# Altium PCB Proyecto0.PcbDoc (part 3 of 5)
Units mm, origin at the board's own origin, x right, y up, seen from the top; angles counter-clockwise.
Board outline 65 x 45 mm, 10 copper layers (TOP, GND[1], VDD[1], Signal[1], GND[2], VDD[2], Signal[2], GND[3], VDD[3], BOT), stack 2.029 mm thick; 188 components, 257 nets, 1107 pads, 1099 vias.
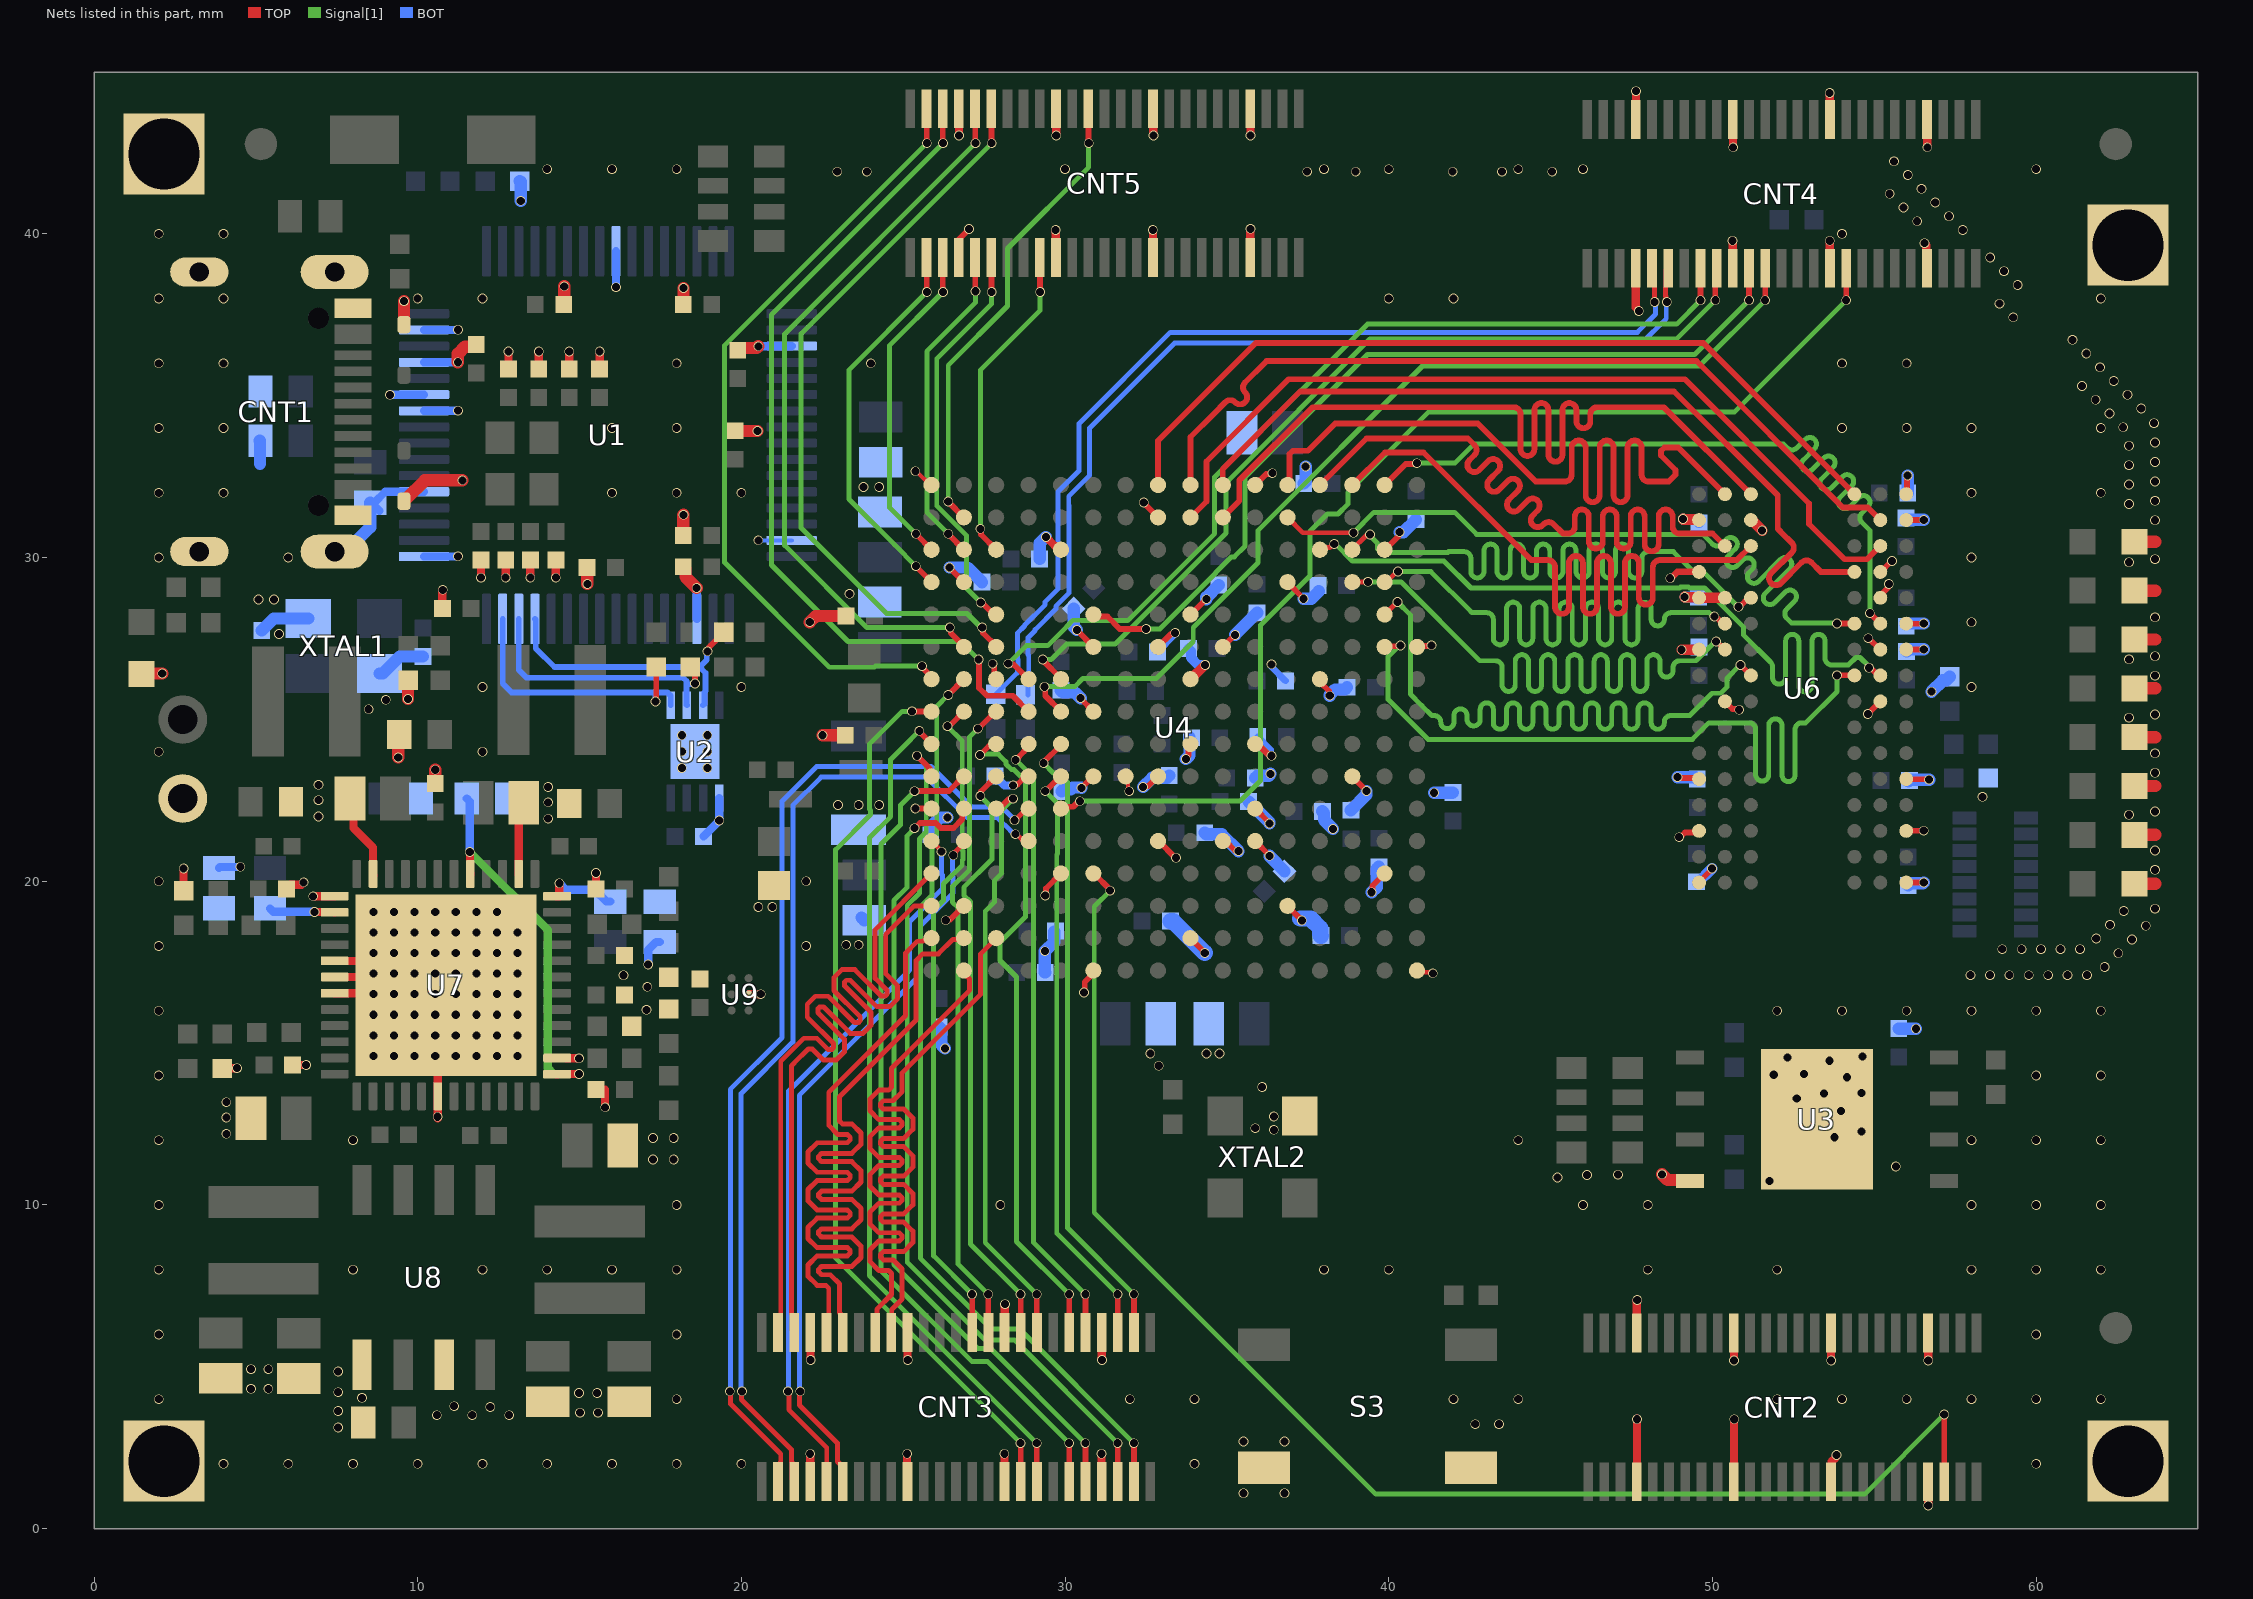
[diagram p11: the nets of this part, all layers, seen from the top]

## Via types
v1: diameter 0.3, hole 0.25, TOP to BOT, tented both sides, 1081 vias
v2: diameter 0.3, hole 0.25, TOP to BOT, 18 vias

## Nets (pads, with @x,y where several pads share a name; then routed paths per layer and width w, separated by ;. In a path a pad name is that pad's centre, name@x,y a point inside that pad or via, vN(x,y) a via of type N, cw(c..) or ccw(c..) an arc to the next point about the centre after c; other vN are vias at no path point) (continued)
DQ0: U4.C14 U6.E3 | length 25.4
  TOP w0.152: U4.C14@38.873,30.241 38.873,30.253 39.3,30.68 39.393,30.68 v1(39.421,30.709)
  TOP w0.178: v1(50.804,28.48) 50.827,28.503 50.864,28.503 51.118,28.757 U6.E3@51.186,28.757
  Signal[1] w0.152: v1(39.421,30.709) 39.421,30.669 39.655,30.434 39.655,30.267 39.763,30.159 41.826,30.159 41.849,30.182 42.331,30.182 cw(c42.331,29.979) 42.535,29.979 42.535,29.573 ccw(c42.738,29.573) 42.941,29.573 42.941,30.211 cw(c43.144,30.211) 43.347,30.211 43.347,29.573 ccw(c43.551,29.573) 43.754,29.573 43.754,30.211 cw(c43.957,30.211) 44.16,30.211 44.16,29.573 ccw(c44.363,29.573) 44.567,29.573 44.567,30.211 cw(c44.77,30.211) 44.973,30.211 44.973,29.573 ccw(c45.176,29.573) 45.379,29.573 45.379,30.211 cw(c45.583,30.211) 45.786,30.211 45.786,29.573 ccw(c45.989,29.573) 46.192,29.573 46.192,30.211 cw(c46.395,30.211) 46.599,30.211 46.599,29.573 ccw(c46.802,29.573) 47.005,29.573 47.005,30.211 cw(c47.208,30.211) 47.411,30.211 47.411,29.573 ccw(c47.615,29.573) 47.818,29.573 47.818,29.979 cw(c48.021,29.979) 48.021,30.182 48.626,30.182 48.793,30.182 49.385,29.591 49.68,29.591 50.791,28.48 v1(50.804,28.48)
DQ1: U4.B12 U6.F7 | length 25
  TOP w0.152: U4.B12@36.879,31.235 37.348,30.766 v1(38.909,30.766)
  TOP w0.178: v1(53.848,27.965) 53.852,27.961 54.382,27.961 U6.F7@54.386,27.957
  Signal[1] w0.152: v1(38.909,30.766) 39.537,31.394 42.037,31.394 42.717,30.715 49.702,30.715 49.942,30.474 49.996,30.42 ccw(c50.14,30.564) 50.284,30.42 50.421,30.557 cw(c50.564,30.413) 50.708,30.557 cw(c50.564,30.413) 50.708,30.27 50.481,30.043 ccw(c50.625,29.899) 50.481,29.756 ccw(c50.625,29.899) 50.769,29.756 50.943,29.93 cw(c51.087,29.786) 51.23,29.93 cw(c51.087,29.786) 51.23,29.643 51.138,29.551 ccw(c51.282,29.407) 51.138,29.263 ccw(c51.282,29.407) 51.426,29.263 52.104,29.941 cw(c52.247,29.798) 52.391,29.941 cw(c52.247,29.798) 52.391,29.654 51.631,28.893 ccw(c51.774,28.75) 51.631,28.606 ccw(c51.774,28.75) 51.918,28.606 52.248,28.937 cw(c52.392,28.793) 52.536,28.937 cw(c52.392,28.793) 52.536,28.649 52.295,28.409 ccw(c52.439,28.265) 52.295,28.121 52.436,27.98 52.613,27.98 v1@53.858,27.98
DQ2: U4.D15 U6.F2 | length 25.5
  TOP w0.152: U4.D15@39.873,29.241 39.92,29.241 40.244,29.566 v1(40.284,29.566)
  TOP w0.178: v1(50.059,28.177) 50.082,28.153 50.122,28.153 50.318,27.957 U6.F2@50.386,27.957
  Signal[1] w0.152: v1(40.284,29.566) 41.3,29.566 42.545,28.321 42.57,28.296 43.028,28.296 cw(c43.028,28.092) 43.231,28.092 43.231,27.507 ccw(c43.434,27.507) 43.637,27.507 43.637,28.418 cw(c43.84,28.418) 44.044,28.418 44.044,27.507 ccw(c44.247,27.507) 44.45,27.507 44.45,28.418 cw(c44.653,28.418) 44.856,28.418 44.856,27.507 ccw(c45.06,27.507) 45.263,27.507 45.263,28.418 cw(c45.466,28.418) 45.669,28.418 45.669,27.507 ccw(c45.872,27.507) 46.076,27.507 46.076,28.418 cw(c46.279,28.418) 46.482,28.418 46.482,27.507 ccw(c46.685,27.507) 46.888,27.507 46.888,28.418 cw(c47.092,28.418) 47.295,28.418 47.295,27.507 ccw(c47.498,27.507) 47.701,27.507 47.701,28.414 cw(c47.904,28.414) 48.108,28.414 48.108,28.092 ccw(c48.311,28.092) 48.514,28.092 cw(c48.717,28.092) 48.717,28.296 49.809,28.296 49.9,28.296 50.019,28.177 v1(50.059,28.177)
DQ3: U4.A15 U6.F8 | length 25
  TOP w0.178: U4.A15@39.873,32.241 40.524,32.893 40.845,32.893 v1(40.869,32.916) ; v1(54.863,28.283) v1(54.863,28.283) U6.F8@55.186,27.957 U6.F8@55.186,27.957
  Signal[1] w0.152: v1(40.869,32.916) 42.042,32.916 42.628,33.503 52.197,33.503 52.26,33.439 52.314,33.385 ccw(c52.458,33.529) 52.602,33.385 52.866,33.65 cw(c53.01,33.506) 53.153,33.65 cw(c53.01,33.506) 53.153,33.362 52.799,33.008 ccw(c52.943,32.864) 52.799,32.721 ccw(c52.943,32.864) 53.087,32.721 53.441,33.075 cw(c53.585,32.931) 53.728,33.075 cw(c53.585,32.931) 53.728,32.788 53.374,32.433 ccw(c53.518,32.29) 53.374,32.146 ccw(c53.518,32.29) 53.661,32.146 54.016,32.5 cw(c54.159,32.356) 54.303,32.5 cw(c54.159,32.356) 54.303,32.213 53.949,31.859 ccw(c54.092,31.715) 53.949,31.571 ccw(c54.092,31.715) 54.236,31.571 54.519,31.854 cw(c54.663,31.711) 54.807,31.854 cw(c54.663,31.711) 54.807,31.567 54.613,31.374 ccw(c54.757,31.23) 54.613,31.086 54.839,30.861 54.863,30.836 v1(54.863,28.283)
DQ4: U4.E15 U6.H3 | length 25.4
  TOP w0.152: U4.E15@39.873,28.241 39.877,28.241 40.264,28.628 v1(40.268,28.628)
  TOP w0.178: v1(50.863,26.683) v1(50.863,26.683) U6.H3@51.186,26.357 U6.H3@51.186,26.357
  Signal[1] w0.152: v1(40.268,28.628) 40.665,28.231 40.665,25.783 41.024,25.425 41.328,25.121 41.402,25.121 cw(c41.402,24.917) 41.605,24.917 ccw(c41.809,24.917) 42.012,24.917 42.012,25.121 cw(c42.215,25.121) 42.418,25.121 42.418,25 ccw(c42.621,25) 42.825,25 42.825,25.306 cw(c43.028,25.306) 43.231,25.306 43.231,24.897 ccw(c43.434,24.897) 43.637,24.897 43.637,25.306 cw(c43.841,25.306) 44.044,25.306 44.044,24.897 ccw(c44.247,24.897) 44.45,24.897 44.45,25.306 cw(c44.653,25.306) 44.857,25.306 44.857,24.897 ccw(c45.06,24.897) 45.263,24.897 45.263,25.306 cw(c45.466,25.306) 45.669,25.306 45.669,24.897 ccw(c45.873,24.897) 46.076,24.897 46.076,25.306 cw(c46.279,25.306) 46.482,25.306 46.482,24.897 ccw(c46.685,24.897) 46.889,24.897 46.889,25.306 cw(c47.092,25.306) 47.295,25.306 47.295,24.897 ccw(c47.498,24.897) 47.701,24.897 47.701,25.306 cw(c47.905,25.306) 48.108,25.306 48.108,24.897 ccw(c48.311,24.897) 48.514,24.897 48.514,24.917 cw(c48.717,24.917) 48.717,25.121 48.794,25.121 49.301,25.121 49.987,25.807 50.254,25.807 50.444,25.997 50.444,26.264 v1(50.863,26.683)
DQ5: U4.C13 U6.H8 | length 25.3
  TOP w0.152: U4.C13@37.873,30.241 37.939,30.308 38.169,30.308 38.277,30.415 v1(38.317,30.415)
  TOP w0.178: v1(54.839,26.594) 54.862,26.57 54.905,26.57 55.118,26.357 U6.H8@55.186,26.357
  Signal[1] w0.152: v1(38.317,30.415) 38.357,30.415 38.881,29.891 40.152,29.891 ; 40.153,29.892 40.383,29.892 ; 40.384,29.891 41.706,29.891 42.539,29.058 48.99,29.058 49.016,29.083 49.267,29.083 49.293,29.058 49.759,29.058 50.965,27.851 50.965,27.601 51.795,26.771 cw(c51.651,26.627) 51.854,26.627 51.854,26.293 ccw(c52.058,26.293) 52.261,26.293 52.261,27.424 cw(c52.464,27.424) 52.667,27.424 52.667,26.05 ccw(c52.87,26.05) 53.074,26.05 53.074,27.424 cw(c53.277,27.424) 53.48,27.424 53.48,26.886 ccw(c53.683,26.886) 53.683,26.683 54.078,26.683 54.204,26.683 54.433,26.913 54.56,26.913 54.839,26.634 v1(54.839,26.594)
DQ6: U4.D14 U6.G2 | length 25.1
  TOP w0.152: U4.D14@38.873,29.241 38.877,29.245 39.351,29.245 v1(39.355,29.25)
  TOP w0.178: v1(50.114,27.407) 50.126,27.407 50.375,27.157 U6.G2@50.386,27.157
  Signal[1] w0.152: v1(39.355,29.25) 40.377,29.25 42.816,26.811 43.298,26.811 cw(c43.298,26.608) 43.502,26.608 43.502,26.066 ccw(c43.705,26.066) 43.908,26.066 43.908,26.795 cw(c44.111,26.795) 44.314,26.795 44.314,26.066 ccw(c44.518,26.066) 44.721,26.066 44.721,26.795 cw(c44.924,26.795) 45.127,26.795 45.127,26.066 ccw(c45.33,26.066) 45.534,26.066 45.534,26.795 cw(c45.737,26.795) 45.94,26.795 45.94,26.066 ccw(c46.143,26.066) 46.346,26.066 46.346,26.795 cw(c46.55,26.795) 46.753,26.795 46.753,26.066 ccw(c46.956,26.066) 47.159,26.066 47.159,26.795 cw(c47.362,26.795) 47.566,26.795 47.566,26.066 ccw(c47.769,26.066) 47.972,26.066 47.972,26.795 cw(c48.175,26.795) 48.378,26.795 48.378,26.507 ccw(c48.582,26.507) 48.785,26.507 48.785,26.608 cw(c48.988,26.608) 48.988,26.811 49.491,26.811 49.53,26.85 50.086,27.407 v1(50.114,27.407)
DQ7: U4.F15 U6.H7 | length 25.2
  TOP w0.178: U4.F15@39.873,27.241 39.892,27.26 40.341,27.26 v1(40.361,27.28) ; v1(53.848,26.361) 54.382,26.361 U6.H7@54.386,26.357
  Signal[1] w0.152: v1(40.361,27.28) 40.321,27.28 40.058,27.017 40.054,27.017 39.98,26.943 39.98,25.616 41.211,24.384 49.378,24.384 49.886,24.892 50.84,24.892 51.13,24.892 cw(c51.13,24.689) 51.333,24.689 51.333,23.3 ccw(c51.537,23.3) 51.74,23.3 51.74,24.816 cw(c51.943,24.816) 52.146,24.816 52.146,23.283 ccw(c52.349,23.283) 52.553,23.283 52.553,24.689 cw(c52.756,24.689) 52.756,24.892 52.832,24.892 52.883,24.892 53.848,25.857 v1(53.848,26.361)
DQ8: U4.A10 U6.D7 | length 26.2
  TOP w0.178: U4.A10@34.873,32.241 34.873,32.739 37.262,35.128 48.815,35.128 52.019,31.924 52.019,30.886 52.081,30.825 52.144,30.762 52.449,30.457 cw(c52.296,30.304) 52.449,30.151 51.812,29.514 ccw(c51.964,29.361) 51.812,29.208 ccw(c51.964,29.361) 52.117,29.208 52.754,29.846 cw(c52.907,29.693) 53.06,29.846 53.315,29.59 53.348,29.557 53.408,29.557 U6.D7@54.386,29.557
DQ9: U4.A14 U6.C3 | length 26.3
  TOP w0.178: U4.A14@38.873,32.241 39.88,33.249 41.072,33.249 44.399,29.921 44.92,29.921 cw(c44.92,29.705) 45.136,29.705 45.136,28.476 ccw(c45.352,28.476) 45.568,28.476 45.568,29.832 cw(c45.783,29.832) 45.999,29.832 45.999,28.476 ccw(c46.215,28.476) 46.431,28.476 46.431,29.832 cw(c46.647,29.832) 46.863,29.832 46.863,28.476 ccw(c47.079,28.476) 47.295,28.476 47.295,29.832 cw(c47.511,29.832) 47.727,29.832 47.727,28.759 ccw(c47.942,28.759) 48.158,28.759 48.158,29.705 cw(c48.374,29.705) 48.374,29.921 48.786,29.921 50.751,29.921 U6.C3@51.186,30.357
DQ10: U4.B9 U6.C8 | length 26.7
  TOP w0.178: U4.B9@33.873,31.241 34.366,31.735 34.366,32.969 36.906,35.509 49.149,35.509 52.984,31.674 52.984,31.039 54.077,29.947 54.776,29.947 U6.C8@55.186,30.357
DQ11: U4.A13 U6.C2 | length 26.3
  TOP w0.178: U4.A13@37.873,32.241 39.312,33.68 42.272,33.68 42.443,33.68 42.65,33.474 cw(c42.497,33.321) 42.65,33.169 42.492,33.011 ccw(c42.645,32.858) 42.492,32.706 ccw(c42.645,32.858) 42.797,32.706 43.072,32.981 cw(c43.225,32.828) 43.378,32.981 cw(c43.225,32.828) 43.378,32.676 43.103,32.4 ccw(c43.255,32.248) 43.103,32.095 ccw(c43.255,32.248) 43.408,32.095 43.683,32.37 cw(c43.836,32.218) 43.988,32.37 cw(c43.836,32.218) 43.988,32.065 43.713,31.79 ccw(c43.866,31.637) 43.713,31.484 ccw(c43.866,31.637) 44.019,31.484 44.294,31.76 cw(c44.446,31.607) 44.599,31.76 cw(c44.446,31.607) 44.599,31.454 44.451,31.307 ccw(c44.604,31.154) 44.451,31.001 ccw(c44.604,31.154) 44.757,31.001 44.787,31.031 cw(c44.94,30.879) 45.092,31.031 45.341,30.782 45.381,30.743 45.427,30.743 45.443,30.743 45.532,30.743 ccw(c45.532,30.958) 45.747,30.958 45.747,31.268 cw(c45.963,31.268) 46.179,31.268 46.179,30.493 ccw(c46.395,30.493) 46.611,30.493 46.611,31.268 cw(c46.827,31.268) 47.043,31.268 47.043,30.493 ccw(c47.259,30.493) 47.475,30.493 47.475,31.268 cw(c47.691,31.268) 47.906,31.268 47.906,30.409 ccw(c48.122,30.409) 48.338,30.409 48.338,31.268 cw(c48.554,31.268) 48.77,31.268 48.77,30.958 ccw(c48.986,30.958) 48.986,30.743 50.001,30.743 U6.C2@50.386,30.357
DQ12: U4.A8 U6.A7 | length 26.1
  TOP w0.178: U4.A8@32.873,32.241 32.873,33.609 35.89,36.627 49.717,36.627 U6.A7@54.386,31.957
DQ13: U4.A12 U6.A2 | length 26.7
  TOP w0.178: U4.A12@36.873,32.241 36.934,32.303 36.934,33.195 37.039,33.299 37.508,33.299 38.346,34.138 42.748,34.138 44.54,32.345 45.346,32.345 45.435,32.345 ccw(c45.435,32.561) 45.651,32.561 45.651,33.399 cw(c45.867,33.399) 46.083,33.399 46.083,31.926 ccw(c46.298,31.926) 46.514,31.926 46.514,33.399 cw(c46.73,33.399) 46.946,33.399 46.946,31.926 ccw(c47.162,31.926) 47.378,31.926 47.378,33.399 cw(c47.594,33.399) 47.81,33.399 47.81,32.561 ccw(c48.026,32.561) 48.026,32.345 48.648,32.345 48.857,32.555 48.857,32.702 48.41,33.15 48.41,33.297 48.514,33.401 48.943,33.401 U6.A2@50.386,31.957
DQ14: U4.A9 U6.B8 | length 26.3
  TOP w0.178: U4.A9@33.873,32.241 33.873,33.72 34.582,34.43 34.95,34.798 cw(c35.103,34.645) 35.256,34.798 ccw(c35.408,34.951) 35.561,34.798 ccw(c35.408,34.951) 35.561,35.103 cw(c35.714,35.256) 35.561,35.409 36.157,36.004 36.22,36.068 49.505,36.068 54.026,31.547 54.797,31.547 U6.B8@55.186,31.157
DQ15: U4.B10 U6.A3 | length 26.3
  TOP w0.178: U4.B10@34.873,31.241 35.382,31.751 35.382,32.385 37.643,34.646 43.332,34.646 43.853,34.646 cw(c43.853,34.43) 44.069,34.43 44.069,33.356 ccw(c44.285,33.356) 44.501,33.356 44.501,34.557 cw(c44.717,34.557) 44.933,34.557 44.933,33.176 ccw(c45.148,33.176) 45.364,33.176 45.364,34.557 cw(c45.58,34.557) 45.796,34.557 45.796,34.21 ccw(c46.012,34.21) 46.228,34.21 46.228,34.43 cw(c46.444,34.43) 46.444,34.646 46.925,34.646 48.498,34.646 U6.A3@51.186,31.957
E1: CNT5.24 U4.D1 | length 12.1
  TOP w0.178: v1(25.391,29.734) 25.391,29.723 U4.D1@25.873,29.241 ; CNT5.24@25.718,39.266 25.724,39.26 25.724,38.208 v1(25.73,38.202)
  Signal[1] w0.152: v1(25.391,29.734) 24.733,30.392 23.318,31.807 23.318,35.789 v1(25.73,38.202)
E2: CNT5.37 U4.B2 | length 14.6
  TOP w0.178: v1@26.391,31.723 U4.B2@26.873,31.241 ; CNT5.37@30.724,43.86 30.724,42.808 v1(30.73,42.802)
  Signal[1] w0.152: v1(26.391,31.734) 26.391,35.941 28.219,37.77 28.219,39.548 30.73,42.059 v1(30.73,42.802)
E3: CNT5.17 U4.C3 | length 10
  TOP w0.178: v1(27.381,30.886) 27.405,30.863 27.405,30.709 U4.C3@27.873,30.241 ; CNT5.17@29.224,39.26 29.224,38.208 v1(29.23,38.202)
  Signal[1] w0.152: v1(27.381,30.886) 27.381,35.789 29.23,37.638 v1(29.23,38.202)
E5: CNT5.21 U4.C2 | length 10.1
  TOP w0.178: v1(26.391,30.734) 26.391,30.723 U4.C2@26.873,30.241 ; CNT5.21@27.224,39.26 27.224,38.232 v1(27.23,38.226)
  Signal[1] w0.152: v1(26.391,30.734) 25.73,31.394 25.73,36.373 27.23,37.873 v1(27.23,38.226)
E6: CNT4.14 U4.H5 | length 30
  TOP w0.178: v1(29.362,26.01) 29.386,25.986 29.386,25.728 U4.H5@29.873,25.241 ; v1@51.629,37.948 CNT4.14@51.63,38.936
  Signal[1] w0.152: v1(29.362,26.01) 30.297,26.01 30.551,26.264 32.816,26.264 33.96,27.407 33.96,27.838 35.966,29.845 35.966,30.841 41.041,35.916 49.597,35.916 v1(51.629,37.948)
EEPROM_CLK: R8.1 U1.62 U2.2 | length 8.5
  TOP w0.178: R8.1@18.415,26.619 18.567,26.467 v1(18.567,26.111)
  BOT w0.178: U1.62@13.125,28.102 13.125,26.524 13.36,26.289 18.199,26.289 18.303,26.185 18.303,26.086 ; U2.2@18.317,25.438 18.303,25.453 18.303,26.086 ; v1(18.567,26.111) 18.544,26.088 18.305,26.088 18.303,26.086
EEPROM_CS: R9.1 U1.63 U2.1 | length 9
  TOP w0.178: v1(17.348,25.552) 17.374,25.578 R9.1@17.374,26.619
  BOT w0.178: U1.63@12.625,28.102 12.625,26.11 12.903,25.832 17.348,25.832 ; v1(17.348,25.552) 17.348,25.832 ; U2.1@17.817,25.438 17.817,25.728 17.714,25.832 17.348,25.832
EEPROM_DATA: R11.2 U1.61 U2.3 | length 8.9
  TOP w0.178: v1(18.955,27.104) 18.979,27.127 18.979,27.208 R11.2@19.456,27.686
  BOT w0.178: U1.61@13.625,28.102 13.644,28.083 13.644,27.2 14.224,26.619 18.713,26.619 ; U2.3@18.817,25.438 18.858,25.479 18.858,25.837 18.895,25.873 18.895,26.437 18.713,26.619 ; v1(18.955,27.104) 18.932,27.08 18.932,26.838 18.713,26.619
Enable_CH1y5: R25.1 R28.2 U7.5 U7.37 | length 11.8
  TOP w0.254: v1(11.608,20.904) 11.614,20.897 11.614,20.231 U7.5@11.621,20.224 ; U7.37@14.306,14.039 14.31,14.043 14.983,14.043 v1(14.986,14.046)
  Signal[1] w0.254: v1(11.608,20.904) 14.021,18.491 14.021,14.224 14.199,14.046 v1(14.986,14.046)
  BOT w0.254: R28.2@11.516,22.555 11.608,22.464 v1(11.608,20.904)
Enable_CH3: R26.1 R29.2 U7.48 | length 2.3
  TOP w0.254: U7.48@14.306,19.539 14.368,19.539 14.376,19.547 v1(14.376,19.939)
  BOT w0.254: v1(14.376,19.939) 14.58,19.736 15.461,19.736 15.826,19.37 R26.1@15.951,19.37
Enable_CH4: R27.1 R30.2 U7.14 | length 2.1
  TOP w0.254: v1(6.81,19.047) 7.428,19.047 U7.14@7.436,19.039
  BOT w0.254: R27.1@5.436,19.162 5.541,19.056 6.801,19.056 v1(6.81,19.047)
F2: CNT5.23 U4.C1 | length 10.2
  TOP w0.178: v1(25.391,30.734) 25.391,30.723 U4.C1@25.873,30.241 ; CNT5.23@26.224,39.26 26.224,38.208 v1(26.23,38.202)
  Signal[1] w0.152: v1(25.391,30.734) 24.574,31.551 24.574,36.545 v1(26.23,38.202)
F3: CNT5.30 U4.F2 | length 22.9
  TOP w0.178: v1(26.441,27.838) 26.465,27.815 26.465,27.672 26.873,27.264 U4.F2@26.873,27.241 ; CNT5.30@27.224,43.86 27.224,42.808 v1(27.23,42.802)
  Signal[1] w0.152: v1(26.441,27.838) 23.876,27.838 21.336,30.378 21.336,36.907 v1(27.23,42.802)
F4: CNT5.31 U4.F3 | length 23
  TOP w0.178: v1(27.441,27.838) 27.465,27.815 27.465,27.672 27.873,27.264 U4.F3@27.873,27.241 ; CNT5.31@27.724,43.86 27.724,42.808 v1(27.73,42.802)
  Signal[1] w0.152: v1(27.441,27.838) 27.401,27.838 26.97,28.27 24.486,28.27 21.844,30.912 21.844,36.915 v1(27.73,42.802)
F5: CNT5.20 U4.E3 | length 12.5
  TOP w0.178: v1(27.396,28.612) 27.429,28.612 27.799,28.241 U4.E3@27.873,28.241 ; CNT5.20@27.724,39.26 27.724,38.208 v1(27.73,38.202)
  Signal[1] w0.152: v1(27.396,28.612) 26.949,29.058 26.949,30.683 26.035,31.598 26.035,36.144 27.73,37.839 v1(27.73,38.202)
G1: CNT3.15 U4.H3 | length 20.2
  TOP w0.178: v1(27.305,24.714) 27.325,24.714 27.852,25.241 U4.H3@27.873,25.241 ; v1(27.626,7.239) 27.629,7.236 CNT3.15@27.629,6.062
  Signal[1] w0.152: v1(27.305,24.714) 27.051,24.46 27.051,20.36 26.518,19.826 26.518,19.355 26.695,19.177 26.695,8.169 v1(27.626,7.239)
G2: CNT3.14 U4.H2 | length 20.5
  TOP w0.178: v1(26.365,24.79) 26.389,24.814 26.445,24.814 U4.H2@26.873,25.241 ; v1(27.126,7.239) 27.129,7.236 CNT3.14@27.129,6.062
  Signal[1] w0.152: v1(26.365,24.79) 26.822,24.333 26.822,20.953 26.848,20.928 26.848,20.677 26.822,20.652 26.822,20.498 26.238,19.914 26.238,19.406 25.938,19.106 25.938,8.427 v1(27.126,7.239)
G4: CNT5.27 U4.G1 | length 24.6
  TOP w0.178: v1(25.578,26.645) 25.578,26.612 25.873,26.317 U4.G1@25.873,26.241 ; CNT5.27@25.724,43.86 25.724,42.808 v1(25.73,42.802)
  Signal[1] w0.152: v1(25.578,26.645) 24.143,26.645 24.11,26.611 22.715,26.611 19.482,29.845 19.482,36.553 v1(25.73,42.802)
G5: CNT5.28 U4.H4 | length 26.6
  TOP w0.178: CNT5.28@26.224,43.86 26.224,42.808 v1(26.23,42.802) ; v1(27.33,26.848) 27.343,26.835 27.343,25.971 27.584,25.73 28.384,25.73 U4.H4@28.873,25.241
  Signal[1] w0.152: v1(26.23,42.802) 20.93,37.501 20.93,29.769 23.292,27.407 26.772,27.407 v1(27.33,26.848)
GND: C1.1 C2.1 C3.1 C4.1 C5.1 C6.1 C7.1 C8.1 C9.1 C10.1 C11.1 C12.1 C13.1 C14.1 C15.1 C16.2 C17.1 C18.1 C19.1 C20.1 C21.1 C22.1 C23.1 C24.1 C25.1 C26.1 C27.1 C28.1 C29.1 C30.1 C31.1 C32.1 C33.1 C34.1 C35.1 C36.1 C37.1 C39.1 C40.1 C41.1 C42.1 C43.1 C44.1 C45.1 C46.1 C47.1 C48.1 C49.1 C50.1 C55.1 C56.1 C57.1 C58.1 C59.1 C60.1 C61.1 C62.1 C63.1 C64.1 C65.1 C66.1 C67.1 C68.1 C69.1 C70.1 C71.1 C72.1 C73.1 C74.1 C75.1 C76.1 C77.1 C78.1 C79.1 C80.1 C81.1 C82.1 C83.1 C85.1 C86.1 C87.1 C89.1 C90.1 C91.1 C93.1 C94.1 C96.1 C97.1 C98.1 C99.1 C100.1 C101.1 C102.2 CNT1.A1_B12 CNT1.B1_A12 CNT1.SH1 CNT1.SH2 CNT1.SH3 CNT1.SH4 CNT2.4 CNT2.10 CNT2.16 CNT2.22 CNT2.29 CNT2.35 CNT2.41 CNT2.47 CNT3.4 CNT3.10 CNT3.16 CNT3.22 CNT3.29 CNT3.35 CNT3.41 CNT3.47 CNT4.4 CNT4.10 CNT4.16 CNT4.22 CNT4.29 CNT4.35 CNT4.41 CNT4.47 CNT5.4 CNT5.10 CNT5.16 CNT5.22 CNT5.29 CNT5.35 CNT5.41 CNT5.47 D1.A D2.A D3.C D4.C D5.C D6.C D7.C D8.C D9.C D10.C D11.C L4.1 pad. pad.H pad.Supply+@2.743,22.555 R1.2 R3.1 R4.1 R10.1 R23.1 R24.2 R28.1 R29.1 R30.1 R33.2 R36.2 R37.2 R40.2 R43.2 R45.2 R46.1 S3.3 S3.4 U1.1 U1.5 U1.10 U1.11 U1.13 U1.15 U1.25 U1.35 U1.47 U1.51 U2.5 U3.4 U3.9 U4.A1 U4.A11 U4.B8 U4.C5 U4.C15 U4.D2 U4.D12 U4.E9 U4.F6 U4.F8 U4.F10 U4.F16 U4.G3 U4.G9 U4.G13 U4.H6 U4.J9 U4.J11 U4.K4 U4.K6 U4.K7 U4.K8 U4.K14 U4.L1 U4.L11 U4.M8 U4.M10 U4.M11 U4.N5 U4.N15 U4.P2 U4.P12 U4.R9 U4.T6 U4.T16 U6.A9 U6.B1 U6.B3 U6.B9 U6.D1 U6.D8 U6.E1 U6.E2 U6.E8 U6.F9 U6.G1 U6.G8 U6.G9 U6.J2 U6.J8 U6.M1 U6.M9 U6.P1 U6.P9 U6.T1 U6.T9 U7.2 U7.11 U7.13 U7.17 U7.18 U7.19 U7.30 U7.38 U7.49 U8.1 U8.3 U9.B2 XTAL1.2 XTAL2.2 | length 156.1
  TOP w0.127: v1(25.375,32.664) 25.412,32.664 25.835,32.241 U4.A1@25.873,32.241 ; U4.K7@31.873,23.241 31.944,23.17 31.944,22.818 v1(31.98,22.782) ; U4.T16@40.873,17.241 40.927,17.187 41.327,17.187 v1(41.36,17.154)
  TOP w0.178: v1(25.375,22.248) 25.378,22.244 25.869,22.244 U4.L1@25.873,22.241 ; v1(26.314,18.796) 26.338,18.819 26.451,18.819 26.868,19.236 U4.P2@26.868,19.241 ; v1@26.431,29.683 U4.D2@26.873,29.241 ; CNT5.22@26.718,39.266 26.741,39.289 26.741,39.848 27.033,40.14 v1(27.033,40.152) ; v1(27.762,26.721) 27.762,26.688 27.811,26.639 27.811,26.308 U4.G3@27.873,26.246 ; v1(28.397,22.962) 28.421,22.985 28.529,22.985 28.786,23.241 U4.K4@28.868,23.241 ; v1(29.388,19.558) 29.411,19.581 29.411,19.78 29.868,20.236 U4.N5@29.868,20.241 ; v1(30.365,27.759) 30.365,27.754 30.873,27.246 U4.F6@30.873,27.241 ; v1(30.48,25.656) 30.48,25.645 30.873,25.252 U4.H6@30.873,25.241 ; v1(30.505,22.885) 30.511,22.885 30.867,23.241 U4.K6@30.873,23.241 ; v1(30.582,16.561) 30.605,16.584 30.605,16.886 30.873,17.154 U4.T6@30.873,17.241 ; v1(32.41,22.911) 32.434,22.934 32.561,22.934 U4.K8@32.868,23.241 ; v1@32.431,31.687 U4.B8@32.873,31.246 ; U4.M8@32.868,21.241 32.892,21.241 33.407,20.726 v1(33.426,20.726) ; U4.F8@32.873,27.241 33.281,27.649 33.379,27.649 v1(33.402,27.672) ; v1(33.731,23.774) 33.731,23.807 33.811,23.887 33.811,24.175 U4.J9@33.873,24.236 ; U4.R9@33.873,18.236 v1@34.314,17.795 ; U4.E9@33.878,28.241 33.882,28.241 34.355,28.714 v1(34.364,28.714) ; U4.M10@34.873,21.236 34.965,21.236 35.248,20.953 35.333,20.953 v1(35.357,20.93) ; U4.F10@34.878,27.241 34.878,27.244 35.243,27.61 v1(35.253,27.61) ; U4.M11@35.873,21.236 v1@36.314,20.795 ; U4.L11@35.873,22.236 v1@36.314,21.795 ; U4.A11@35.878,32.241 35.878,32.247 36.215,32.585 36.38,32.585 v1(36.403,32.608) ; U4.P12@36.873,19.236 v1@37.314,18.795 ; U4.D12@36.878,29.241 36.878,29.225 37.363,28.739 v1(37.363,28.727) ; U4.G13@37.878,26.241 37.878,26.149 38.153,25.874 38.153,25.756 v1(38.176,25.733) ; U4.K14@38.873,23.236 v1@39.314,22.795 ; v1(39.472,19.66) 39.495,19.683 39.495,19.863 39.868,20.236 U4.N15@39.873,20.236 ; U4.C15@39.873,30.241 39.883,30.241 40.312,30.67 40.312,30.761 v1(40.335,30.785) ; U4.F16@40.886,27.249 40.901,27.264 41.3,27.264 v1(41.323,27.287) ; v1(48.92,23.216) 48.944,23.192 49.551,23.192 U6.M1@49.586,23.157 ; v1(48.971,21.361) 49.004,21.361 49.152,21.509 49.538,21.509 U6.P1@49.586,21.557 ; U6.G1@49.583,27.154 U6.G1@49.586,27.157 ; U6.T1@49.586,19.957 49.586,19.976 49.987,20.377 v1(49.987,20.396) ; U6.J2@50.386,25.557 50.622,25.322 50.802,25.322 v1(50.825,25.298) ; v1(54.801,25.168) v1(54.801,25.168) 55.186,25.556 U6.J8@55.186,25.557 ; v1(54.813,27.508) 54.824,27.508 55.175,27.157 U6.G8@55.186,27.157 ; U6.E8@55.186,28.757 55.186,28.825 55.425,29.064 55.425,29.161 v1(55.448,29.185) ; U6.D8@55.186,29.557 55.199,29.557 55.532,29.89 v1(55.544,29.89) ; U6.T9@55.986,19.957 56.521,19.957 v1(56.527,19.963) ; U6.P9@55.986,21.557 56.521,21.557 v1(56.527,21.563) ; U6.M9@55.986,23.157 55.995,23.148 56.684,23.148 v1(56.693,23.139) ; U6.G9@55.986,27.157 56.521,27.157 v1(56.527,27.163) ; U6.F9@55.986,27.957 56.521,27.957 v1(56.527,27.963) ; U6.B9@55.986,31.157 56.521,31.157 v1(56.527,31.163) ; v1(56.03,32.533) 56.008,32.512 56.008,32.02 U6.A9@56.033,31.996